# Altium PCB udemy_osman.PcbDoc (part 2 of 2)
Units mm, origin at the board's own origin, x right, y up, seen from the top; angles counter-clockwise.
Board outline 100 x 93 mm, 4 copper layers (Top Layer, Ground, Power, Bottom Layer), stack 1.369 mm thick; 121 components, 86 nets, 439 pads, 115 vias.
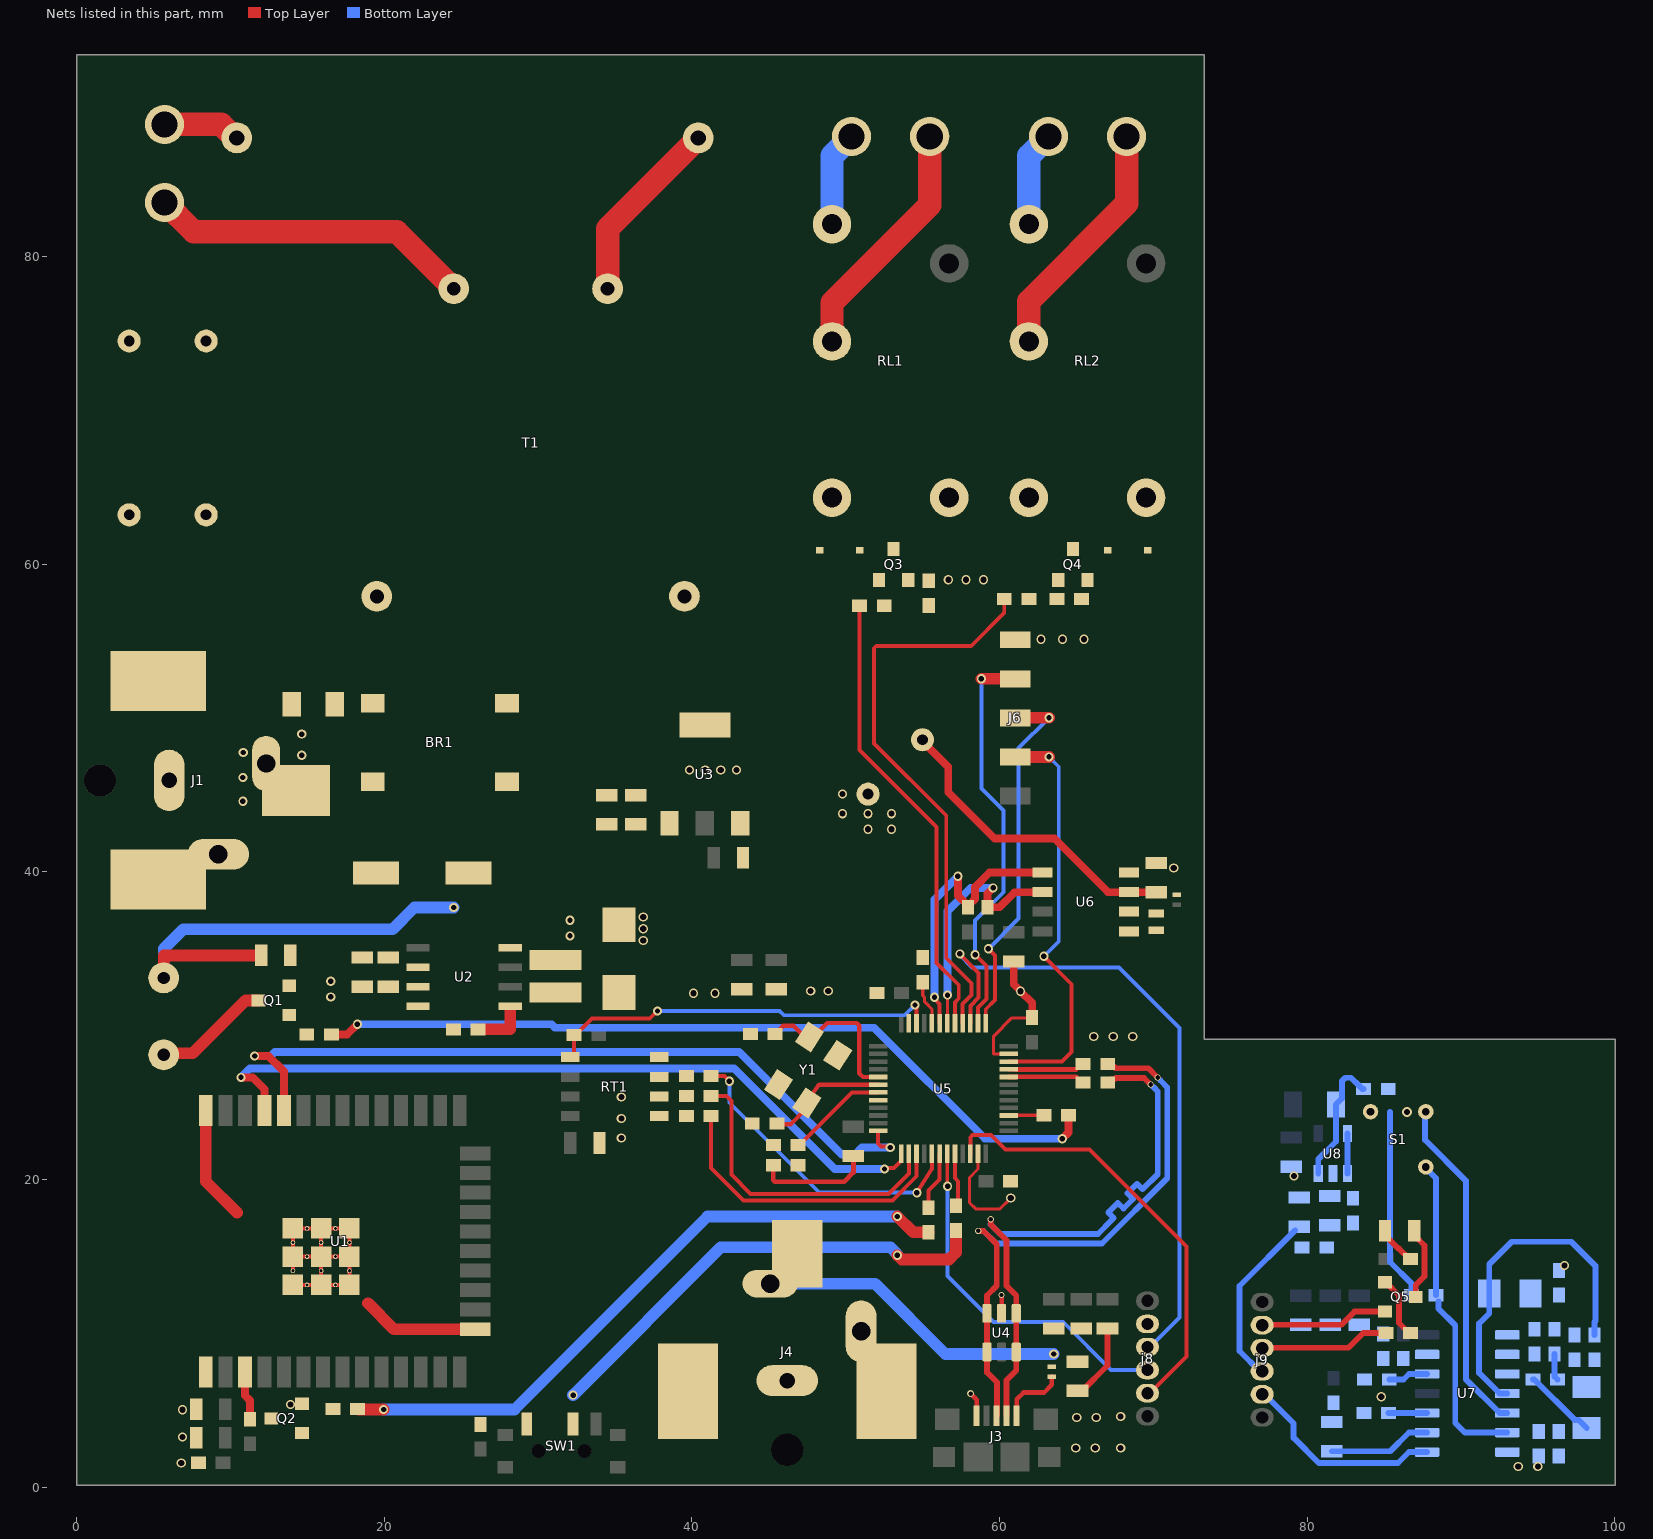
[diagram p4: the nets of this part, all layers, seen from the top]

## Via types
v1: diameter 0.6, hole 0.4, Top Layer to Bottom Layer, tented both sides, 56 vias
v2: diameter 0.6, hole 0.35, Top Layer to Bottom Layer, tented both sides, 49 vias
v3: diameter 0.4, hole 0.3, Top Layer to Bottom Layer, tented both sides, 4 vias
v4: diameter 0.45, hole 0.3, Top Layer to Bottom Layer, tented both sides, 3 vias
v5: diameter 0.635, hole 0.406, Top Layer to Bottom Layer, tented both sides, 1 vias
v6: diameter 0.61, hole 0.305, Top Layer to Bottom Layer, tented both sides, 1 vias
v7: diameter 0.4, hole 0.25, Top Layer to Bottom Layer, tented both sides, 1 vias

## Nets (pads, with @x,y where several pads share a name; then routed paths per layer and width w, separated by ;. In a path a pad name is that pad's centre, name@x,y a point inside that pad or via, vN(x,y) a via of type N, cw(c..) or ccw(c..) an arc to the next point about the centre after c; other vN are vias at no path point) (continued)
+5VDC: BZ1.1 C6.2 C8.1 C11.2 C12.2 C15.2 D2.1 J4.1 L1.2 U2.4 U3.1 | length 50
  Top Layer w0.762: BZ1.1@5.659,33.1 5.659,34.563 C6.2@11.999,34.563
  Bottom Layer w0.762: BZ1.1@5.659,33.1 5.659,34.995 6.929,36.265 20.545,36.265 21.962,37.682 v2(24.513,37.682) ; J4.1@45.097,13.228 51.911,13.228 56.484,8.655 v2(63.52,8.655)
  other v2: 32.075,35.833 32.075,36.849
+12VDC: C1.1 C2.1 C7.2 C9.2 D3.1 D4.1 F1.2 J1.1 RL1.5 RL2.4 U2.7
  other v2: 16.53,31.87 16.53,32.886 10.812,44.588 10.812,46.13 14.643,47.58 10.838,47.756 14.643,48.957
AC_LINE_1: J2.1 R1.1 | length 5.1
  Top Layer w1.524: J2.1@5.72,88.59 9.411,88.59 10.291,87.71 R1.1@10.42,87.71
AC_LINE_2: J2.2 T1.1 | length 21.1
  Top Layer w1.524: J2.2@5.72,83.51 7.62,81.61 20.82,81.61 T1.1@24.52,77.91
BUZZER: R3.1 R12.2 | length 52.6
  Top Layer w0.508: R3.1@16.568,29.432 17.597,29.432 v2(18.257,30.092) ; v2(64.079,22.65) 64.485,23.057 R12.2@64.485,24.174
  Bottom Layer w0.508: v2(18.257,30.092) 30.881,30.092 31.105,29.869 51.844,29.869 59.062,22.65 v2(64.079,22.65)
GND: BR1.4 C1.2 C2.2 C3.1 C4.1 C5.1 C6.1 C7.1 C8.2 C9.1 C11.1 C12.1 C13.1 C14.1 C15.1 C16.1 C17.1 C18.1 C19.1 C20.1 C21.1 C22.2 C23.1 C24.1 C25.1 C26.1 C27.1 C28.1 C29.1 C30.1 D1.1 J1.2 J1.3 J3.1 J4.2 J4.3 J6.5 j8.2 Q1.2 Q2.2 Q3.2 Q4.2 R7.1 R9.1 R16.2 R21.2 RT1.4 U1.1 U1.15 U1.38 U1.39 U2.6 U3.3 U4.2 U5.8 U5.23 U5.35 U5.47 U6.4 Y1.2 Y1.4 | length 67.5
  Top Layer w0.203: U5.23@58.605,21.662 58.605,20.681 58.046,20.122 58.046,18.497 58.453,18.091 60.027,18.091 v1(60.726,18.789) ; U5.35@60.605,28.162 59.624,28.162 59.621,28.164 59.621,29.319 60.806,30.504 62.102,30.504 C24.1@62.123,30.524
  Top Layer w0.254: U1.39@14.066,13.147 U1.39@14.984,13.147 U1.39@15.901,13.147 ; U1.39@14.066,14.065 U1.39@14.066,14.982 ; U1.39@15.774,16.818 U1.39@14.984,16.818 U1.39@14.066,16.818 U1.39@14.066,15.9 U1.39@14.066,14.982 ; U1.39@17.736,13.021 U1.39@17.736,13.147 ; U1.39@14.066,14.982 U1.39@14.984,14.982 U1.39@15.901,14.982 ; U1.39@15.901,13.147 U1.39@15.901,14.065 U1.39@15.901,14.982 ; U1.39@15.901,13.147 U1.39@16.819,13.147 U1.39@17.736,13.147 ; U1.39@15.901,14.982 U1.39@15.901,15.9 U1.39@15.901,16.818 U1.39@16.819,16.818 U1.39@17.736,16.818 U1.39@17.736,15.9 U1.39@17.736,14.982 ; U1.39@15.901,14.982 U1.39@16.819,14.982 U1.39@17.736,14.982 ; U1.39@17.736,13.147 U1.39@17.736,14.065 U1.39@17.736,14.982
  Top Layer w0.279: U4.2@60.137,11.294 v7(60.137,12.49)
  Top Layer w0.3: v4(58.124,6.077) 58.512,5.689 J3.1@58.512,4.633
  Top Layer w0.305: C14.1@43.924,23.641 C14.1@44.013,23.641 ; R7.1@45.295,20.923 45.295,19.942 45.381,19.856 49.901,19.856 50.502,20.458 C20.1@50.502,21.522
  Top Layer w0.381: C11.1@65.069,6.257 65.369,6.257 67.02,7.907 C29.1@67.02,10.306
  Top Layer w0.5: C25.1@60.929,34.172 60.929,32.698 61.361,32.266 v1(61.361,32.239) 62.123,31.477 C24.1@62.123,30.524
  Top Layer w0.762: U1.38@8.401,24.483 8.401,19.87 10.434,17.837 ; 18.948,11.951 20.632,10.268 U1.15@25.911,10.268
  other v1: 6.802,1.568 64.955,2.546 66.225,2.546 67.876,2.546 6.878,3.257 65.019,4.527 66.289,4.527 67.876,4.591 6.878,5.035 13.901,5.378 35.415,22.701 35.415,23.971 35.415,25.368 66.123,29.292 67.393,29.292 68.663,29.292 40.101,32.112 41.498,32.112 47.721,32.251 48.864,32.251 36.837,35.541 36.837,36.303 36.837,37.065 71.33,40.252 51.455,42.767 52.979,42.767 49.791,43.783 51.455,43.783 52.979,43.783 49.791,45.053 39.847,46.628 40.863,46.628 41.879,46.628 42.895,46.628 62.694,55.124 64.091,55.124 65.488,55.124 56.675,58.985 57.818,58.985 58.961,58.985
GND_S: C34.1 C36.1 C37.1 C38.1 C39.1 C40.1 C41.1 C42.1 C43.1 j9.2 Q5.2 R26.2 R29.1 R31.1 R32.1 R33.1 S1.3 U7.7 U8.2 | length 20.8
  Top Layer w0.381: j9.2@77.12,10.56 82.235,10.56 83.088,11.413 Q5.2@85.058,11.413
  Bottom Layer w0.381: 85.389,24.388 85.389,14.634 86.773,13.25 C36.1@86.773,12.475
  other v1: 93.728,1.337 94.998,1.337 84.812,5.871 96.738,14.405 79.148,20.235
  other v5: 86.489,24.388
LED_S: j9.3 R23.1 | length 8.4
  Top Layer w0.381: j9.3@77.12,9.06 82.691,9.06 83.645,10.014 R23.1@85.12,10.014
LIGHT_1_GND: J5.2 RL1.3 | length 6.2
  Bottom Layer w1.524: RL1.3@49.11,82.1 49.11,86.54 J5.2@50.38,87.81
LIGHT_1_VCC: J5.1 RL1.2 | length 16
  Top Layer w1.524: RL1.2@49.11,74.48 49.11,77 55.46,83.35 J5.1@55.46,87.81
LIGHT_2_GND: J7.2 RL2.3 | length 6.2
  Bottom Layer w1.524: RL2.3@61.91,82.1 61.91,86.54 J7.2@63.18,87.81
LIGHT_2_VCC: J7.1 RL2.2 | length 16
  Top Layer w1.524: RL2.2@61.91,74.48 61.91,77.1 68.26,83.45 J7.1@68.26,87.81
MCU_N: R13.1 U5.32 | length 5
  Top Layer w0.305: U5.32@60.605,26.662 61.05,26.662 61.059,26.67 63.786,26.67 ; 63.787,26.671 64.99,26.671 65.349,26.312 R13.1@65.438,26.312
MCU_P: R14.1 U5.33 | length 5
  Top Layer w0.305: U5.33@60.605,27.162 61.05,27.162 61.059,27.153 63.587,27.153 ; 63.587,27.153 64.99,27.153 65.349,27.512 R14.1@65.438,27.512
NetBR1_1: BR1.1 T1.9
NetBR1_2: BR1.2 T1.7
NetBR1_3: BR1.3 F1.1
NetBZ1_2: BZ1.2 Q1.3 | length 7.6
  Top Layer w0.762: BZ1.2@5.659,28.1 5.76,28.202 7.551,28.202 10.991,31.642 Q1.3@11.822,31.642
NetC10_1: C10.1 U2.1 | length 3.3
  Top Layer w0.762: C10.1@26.093,29.762 28.191,29.762 28.191,30.981
NetC10_2: C10.2 D1.2 L1.1 U2.8
NetC13_2: C13.2 U5.5 Y1.3 | length 10.6
  Top Layer w0.279: C13.2@45.41,29.457 45.499,29.457 45.753,29.711 45.753,29.8 45.943,29.991 46.607,29.991 47.321,29.277 Y1.3@47.643,29.277 ; Y1.3@47.909,29.277 48.801,30.169 50.722,30.169 50.886,30.005 50.886,26.899 51.124,26.662 U5.5@52.105,26.662
NetC14_2: C14.2 U5.6 Y1.1 | length 7.9
  Top Layer w0.279: C14.2@45.524,23.641 45.867,23.59 46.421,23.59 46.566,23.735 47.198,24.367 Y1.1@47.473,24.975 47.833,25.529 48.177,26.059 48.279,26.162 U5.6@52.105,26.162
NetC22_1: C22.1 C28.2 D5.1 U6.3 | length 20.3
  Top Layer w0.508: C22.1@54.991,48.589 54.991,48.483 56.662,46.811 56.662,45.18 59.685,42.157 63.582,42.157 67.062,38.678 U6.3@68.403,38.678 C28.2@70.2,38.678
NetC31_1: C31.1 C32.1 R25.1
NetC31_2: C31.2 R27.1 U7.3 | length 4.8
  Bottom Layer w0.381: R27.1@94.672,7.001 94.761,7.001 97.387,4.376 97.644,4.376 C31.2@98.173,3.846
NetC32_2: C32.2 C35.1 R25.2 U7.4 | length 22.4
  Bottom Layer w0.381: U7.4@93.01,6.087 92.515,6.087 91.18,7.422 91.18,10.634 91.837,11.291 C35.1@91.837,12.582 91.837,14.489 93.303,15.955 97.174,15.955 98.736,14.393 98.736,10.809 98.673,10.746 C32.2@98.673,9.882
NetC33_1: C33.1 R27.2 R28.1 U7.2 | length 1.7
  Bottom Layer w0.381: C33.1@96.073,8.663 96.073,7.201 R27.2@96.273,7.001
NetC33_2: C33.2 R28.2 U7.1
NetC34_2: C34.2 R29.2 S1.2 U7.5 | length 22.1
  Bottom Layer w0.381: S1.2@87.669,24.378 87.669,22.561 90.316,19.914 90.316,7.016 92.515,4.817 U7.5@93.01,4.817
NetC35_2: C35.2 R26.1
NetC36_2: C36.2 S1.1 U7.6 | length 20.6
  Bottom Layer w0.381: S1.1@87.669,20.786 88.373,20.082 C36.2@88.373,12.475 ; 88.53,12.071 88.53,11.615 89.626,10.519 89.626,4.174 90.253,3.547 U7.6@93.01,3.547
NetC38_2: C38.2 R30.1 U7.13
NetC40_2: C40.2 R34.2 R36.1
NetD2_2: D2.2 J3.5 | length 4.3
  Top Layer w0.305: J3.5@61.112,4.633 61.112,5.7 61.564,6.153 62.898,6.153 63.393,6.648 D2.2@63.393,7.187
NetD3_2: D3.2 Q3.3 RL1.4
NetD4_2: D4.2 Q4.3 RL2.5
NetD6_1: D6.1 Q5.3 | length 4.8
  Top Layer w0.381: D6.1@86.957,16.681 86.957,16.381 87.626,15.712 87.626,13.713 87.058,13.144 Q5.3@87.058,12.363
NetD6_2: D6.2 R24.1 | length 2.6
  Top Layer w0.381: D6.2@85.057,16.681 85.057,16.381 85.935,15.503 85.966,15.503 86.629,14.84 R24.1@86.718,14.84
NetD7_1: D7.1 U7.9 | length 6.7
  Bottom Layer w0.381: D7.1@81.613,2.332 85.404,2.332 86.619,3.547 U7.9@87.8,3.547
NetD7_2: D7.2 R35.1
NetJ6_2: J6.2 U5.34 | length 27.1
  Top Layer w0.254: U5.34@60.605,27.662 64.061,27.662 64.688,28.289 64.688,32.692 62.885,34.495 v2(62.885,34.512)
  Top Layer w0.762: J6.2@61.02,47.47 v2(63.216,47.47)
  Bottom Layer w0.254: v2(62.885,34.512) 63.853,35.48 63.853,46.833 v2(63.216,47.47)
NetJ6_3: J6.3 U5.37 | length 24.1
  Top Layer w0.254: U5.37@59.105,30.162 59.105,31.069 59.71,31.674 59.71,34.563 v2(59.278,34.995)
  Top Layer w0.762: J6.3@61.02,50.01 v2(63.216,50.01)
  Bottom Layer w0.254: v2(59.278,34.995) 61.247,36.964 61.247,48.041 v2(63.216,50.01)
NetJ6_4: J6.4 U5.38 | length 26.5
  Top Layer w0.254: v2(58.415,34.614) 59.151,33.877 59.151,31.726 58.605,31.18 U5.38@58.605,30.162
  Top Layer w0.762: v2(58.824,52.55) J6.4@61.02,52.55
  Bottom Layer w0.254: v2(58.415,34.614) 58.415,36.826 60.264,38.675 60.264,43.98 58.824,45.42 v2(58.824,52.55)
Netj8_3: j8.3 U5.39 | length 43.2
  Top Layer w0.254: v2(57.423,34.664) 57.423,34.642 58.643,33.422 58.643,31.829 58.105,31.29 U5.39@58.105,30.162
  Bottom Layer w0.254: v2(57.423,34.664) 57.423,34.575 58.224,33.774 67.763,33.774 71.699,29.838 71.699,11.038 69.771,9.11 j8.3@69.621,9.11
Netj8_4: j8.4 U5.19 | length 23.5
  Top Layer w0.254: U5.19@56.605,21.662 56.605,19.583 v2(56.624,19.564)
  Bottom Layer w0.254: v2(56.624,19.564) 56.624,13.716 59.615,10.725 64.142,10.725 67.257,7.61 j8.4@69.621,7.61
Netj8_5: j8.5 U5.22 | length 28.9
  Top Layer w0.254: U5.22@58.105,21.662 58.105,22.737 58.253,22.885 59.449,22.885 60.383,21.952 65.857,21.952 72.156,15.653 72.156,8.495 69.771,6.11 j8.5@69.621,6.11
NetQ1_1: Q1.1 R3.2
NetQ2_1: Q2.1 R4.2
NetQ3_1: Q3.1 R15.2 R16.1
NetQ4_1: Q4.1 R17.2 R21.1
NetQ5_1: Q5.1 R23.2 | length 4.1
  Top Layer w0.381: Q5.1@85.058,13.313 85.108,13.313 85.968,12.453 85.968,10.677 86.631,10.014 R23.2@86.72,10.014
NetR1_2: R1.2 T1.5 | length 12.2
  Top Layer w1.524: T1.5@34.52,77.91 34.52,81.81 R1.2@40.42,87.71
NetR5_1: R5.1 SW1.1
NetR6_2: R6.2 SW1.2 | length 30.9
  Top Layer w0.762: v2(53.36,15.081) 53.637,14.804 56.723,14.804 57.17,15.251 R6.2@57.17,16.694
  Bottom Layer w0.762: v2(32.278,5.983) 41.884,15.589 52.914,15.589 53.36,15.143 v2(53.36,15.081)
NetR8_1: R8.1 U5.18 | length 3.8
  Top Layer w0.254: R8.1@55.392,18.167 55.392,19.296 56.105,20.009 U5.18@56.105,21.662
NetR9_2: R9.2 U5.44 | length 2.9
  Top Layer w0.203: R9.2@55.011,32.823 55.011,31.959 55.117,31.853 55.117,31.573 55.243,31.447 55.605,31.086 U5.44@55.605,30.162
NetR12_1: R12.1 U5.27 | length 2.3
  Top Layer w0.254: U5.27@60.617,24.174 R12.1@62.885,24.174
NetR15_1: R15.1 U5.41 | length 29.9
  Top Layer w0.254: R15.1@50.909,57.296 50.909,47.911 55.9,42.919 55.9,34.08 57.348,32.632 57.348,31.755 57.105,31.512 U5.41@57.105,30.162
NetR17_1: R17.1 U5.40 | length 37.6
  Top Layer w0.254: U5.40@57.605,30.162 57.605,31.401 58.186,31.982 58.186,32.755 56.535,34.406 56.535,43.656 51.836,48.355 51.836,54.535 51.985,54.684 58.165,54.684 60.236,56.755 ccw(c60.056,56.934) 60.31,56.934 R17.1@60.31,57.735
NetR18_1: R18.1 RT1.3
NetR19_1: R19.1 RT1.2
NetR20_1: R20.1 RT1.1
NetR31_2: R31.2 U7.10 | length 2.5
  Bottom Layer w0.381: R31.2@85.287,4.83 86.151,4.83 86.163,4.817 U7.10@87.8,4.817
NetR32_2: R32.2 U7.12 | length 2.6
  Bottom Layer w0.381: R32.2@85.338,7.001 86.264,7.001 86.619,7.357 U7.12@87.8,7.357
NetR33_2: R33.2 RT2.2 U8.3 | length 8.4
  Bottom Layer w0.381: U8.3@80.723,20.382 80.723,21.313 81.873,22.463 RT2.2@81.873,24.882 82.258,25.267 82.258,26.387 82.481,26.61 82.856,26.61 83.381,26.085 83.584,25.882 R33.2@83.673,25.882
NetR34_1: R34.1 U8.1 U8.4 | length 2.6
  Bottom Layer w0.381: U8.1@82.623,20.382 U8.4@82.623,22.982
NetU6_1: U6.1 Y2.2
NetU6_2: U6.2 Y2.1
NRST: C16.2 R7.2 U5.7 | length 6.6
  Top Layer w0.254: C16.2@46.908,22.244 46.997,22.244 50.415,25.662 U5.7@52.105,25.662
PIRDETECT: j9.5 U7.8 | length 13.4
  Bottom Layer w0.381: j9.5@77.073,6.032 77.223,6.032 79.12,4.136 79.12,3.204 80.761,1.564 85.906,1.564 86.619,2.277 U7.8@87.8,2.277
RTC_SCL: R11.1 U5.42 U6.6 | length 16.3
  Top Layer w0.203: U5.42@56.605,30.162 56.61,30.167 56.61,31.98 v2(56.615,31.985)
  Top Layer w0.508: v2(59.583,38.957) 59.227,38.601 R11.1@59.227,37.7 60.002,37.7 60.98,38.678 U6.6@62.803,38.678
  Bottom Layer w0.508: v2(56.615,31.985) 56.615,37.447 58.126,38.957 v2(59.583,38.957)
RTC_SDA: R10.1 U5.43 U6.5 | length 18.6
  Top Layer w0.254: v2(55.773,31.845) 55.773,31.751 56.105,31.42 U5.43@56.105,30.162
  Top Layer w0.508: v2(57.297,39.719) 57.297,38.449 57.957,37.789 R10.1@57.957,37.7 ; R10.1@58.097,37.928 58.402,38.233 58.402,39.008 59.342,39.948 U6.5@62.803,39.948
  Bottom Layer w0.508: v2(55.773,31.845) 55.773,38.195 v2(57.297,39.719)
"SENSOR ONOFF": R6.1 U5.20 | length 3.5
  Top Layer w0.254: U5.20@57.105,21.662 57.105,20.087 57.305,19.886 57.305,18.429 R6.1@57.17,18.294
TEMP_ADC: C42.2 j9.4 R36.2 | length 11.4
  Bottom Layer w0.381: j9.4@77.073,7.532 76.923,7.532 75.6,8.856 75.6,13.075 C42.2@79.222,16.697
TEMP_IN_CS: R19.2 U5.14 | length 20.1
  Top Layer w0.254: R19.2@41.247,25.434 42.245,25.434 42.578,25.101 42.578,20.313 43.822,19.069 52.776,19.069 54.105,20.398 U5.14@54.105,21.662
TEMP_IN_OT: R22.1 RT1.5 U5.46 | length 25.9
  Top Layer w0.254: RT1.5@32.09,27.949 32.143,27.949 32.341,28.147 R22.1@32.341,29.381 ; R22.1@32.43,29.381 33.502,30.453 37.261,30.453 v2(37.764,30.956) ; v2(54.504,31.342) 54.504,31.248 54.605,31.148 U5.46@54.605,30.162
  Bottom Layer w0.254: v2(37.764,30.956) 45.707,30.956 45.986,30.677 53.835,30.677 54.5,31.342 v2(54.504,31.342)
TEMP_IN_SCLK: R20.2 U5.15 | length 19.7
  Top Layer w0.254: R20.2@41.247,24.134 41.247,20.743 43.352,18.637 53.033,18.637 54.605,20.208 U5.15@54.605,21.662
TEMP_IN_SIO: R18.2 U5.17 | length 20.2
  Top Layer w0.254: R18.2@41.247,26.734 42.11,26.734 v2(42.438,26.384) ; v2(54.63,19.145) 55.605,20.681 U5.17@55.605,21.662
  Bottom Layer w0.254: v2(42.438,26.384) 42.438,24.987 48.28,19.145 v2(54.63,19.145)
USB_N: J3.4 R13.2 U4.1 U4.6 | length 37.7
  Top Layer w0.373: v3(59.431,17.413) 59.431,17.072 60.451,16.052 60.451,13.088 61.087,12.452 U4.1@61.087,11.294 U4.6@61.087,8.784 61.087,7.578 60.462,6.952 J3.4@60.462,4.633 ; R13.2@67.038,26.312 67.245,26.519 67.473,26.519 67.553,26.598 69.402,26.598 v3(69.823,26.177)
  Bottom Layer w0.373: 59.402,17.1 59.407,17.105 59.407,17.095 60.043,16.46 66.397,16.46 67.298,17.361 67.43,17.493 67.066,17.857 67.689,18.48 68.053,18.116 68.677,18.739 68.312,19.104 68.935,19.727 69.3,19.362 70.281,20.344 70.281,25.729 70.02,25.99 70.011,25.99 v3(69.823,26.177)
USB_P: J3.3 R14.2 U4.3 U4.4 | length 38
  Top Layer w0.373: v3(58.618,16.657) 58.959,16.657 59.823,15.792 59.823,13.088 59.187,12.452 U4.3@59.187,11.294 U4.4@59.187,8.784 59.187,7.448 59.198,7.448 59.834,6.812 J3.3@59.834,4.656 ; R14.2@67.038,27.512 67.245,27.305 67.473,27.305 67.553,27.226 69.681,27.226 v3(70.276,26.63)
  Bottom Layer w0.373: v3(58.618,16.657) 58.959,16.657 59.783,15.832 66.657,15.832 70.908,20.084 70.908,25.989 70.464,26.433 70.464,26.443 v3(70.276,26.63)
WIFI_EN: R4.1 R8.2 | length 42.7
  Top Layer w0.762: R4.1@18.346,5.048 v2(19.959,5.048) ; v2(53.36,17.596) 54.389,16.567 R8.2@55.392,16.567
  Bottom Layer w0.762: v2(19.959,5.048) 28.468,5.048 41.016,17.596 v2(53.36,17.596)
WIFI_OUT: Q2.3 R2.2 U1.3 | length 3.2
  Top Layer w0.508: U1.3@10.941,7.482 10.941,5.963 11.27,5.635 R2.2@11.27,4.416
WIFI_RXD: U1.34 U5.12 | length 51
  Top Layer w0.254: U5.12@52.105,23.162 52.105,22.342 52.302,22.145 52.834,22.145 v2(52.901,22.079)
  Top Layer w0.508: v2(11.572,28.03) 12.471,28.03 13.481,27.02 U1.34@13.481,24.483
  Bottom Layer w0.508: v2(11.572,28.03) 12.629,28.03 12.888,28.289 43.073,28.289 49.758,21.604 50.583,21.604 51.058,22.079 v2(52.901,22.079)
WIFI_TXD: U1.35 U5.13 | length 49.8
  Top Layer w0.254: v2(52.522,20.682) 52.588,20.748 53.141,20.748 53.605,21.212 U5.13@53.605,21.662
  Top Layer w0.508: v2(10.688,26.638) 11.437,26.638 12.211,25.864 U1.35@12.211,24.483
  Bottom Layer w0.508: v2(10.688,26.638) 11.272,27.222 42.742,27.222 49.283,20.682 v2(52.522,20.682)
pads on no net: J1. J3.2 J3.6 J4. j8.6 j9.6 RL1.1 RL2.1 RT1.6 RT1.7 SW1. SW1.3 SW1.S1 SW1.S2 SW1.S3 SW1.S4 U1.4 U1.5 U1.6 U1.7 U1.8 U1.9 U1.10 U1.11 U1.12 U1.13 U1.14 U1.16 U1.17 U1.18 U1.19 U1.20 U1.21 U1.22 U1.23 U1.24 U1.25 U1.26 U1.27 U1.28 U1.29 U1.30 U1.31 U1.32 U1.33 U1.36 U1.37 U2.2 U2.3 U2.5 U5.1 U5.2 U5.3 U5.4 U5.10 U5.11 U5.16 U5.21 U5.25 U5.26 U5.28 U5.29 U5.30 U5.31 U5.45 U6.7 U7.11

## Polygon pours and split planes (outlines as drawn)
GND_S on Top Layer "GND_S_L01_P051" (solid, remove dead copper, pour order 51): 75.62,27.211 76.761,28.353 97.589,28.353 99.012,26.93 99.012,2.267 97.615,0.87 76.583,0.87 75.62,1.833
GND on Top Layer "Top Layer-GND" (solid, remove dead copper, pour order 50): 6.078,1.048 6.268,0.857 36.837,0.857 37.117,1.136 72.04,1.136 72.04,59.569 46.337,59.569 29.509,42.742 8.478,42.742 8.478,54.388 5.392,57.474 5.392,75.266 4.755,75.903 1.851,75.903 1.074,75.127 1.074,27.895 2.599,26.37 6.078,26.37
+3.3VDC on Top Layer "Top Layer-+3.3VDC" (solid, pour order 44): 39.789,33.801 51.734,33.801 53.131,32.404 53.131,29.653 53.251,29.534 53.766,29.534 53.766,31.477 54.099,31.809 54.099,33.001 52.004,35.096 43.37,35.096 41.839,36.628 41.839,44.128 41.64,44.327 40.363,44.327 40.162,44.126 40.162,42.142 38.973,40.953 38.973,34.616
+12VDC on Top Layer "Top Layer-+12VDC" (solid, pour order 31): 6.896,62.241 9.725,55.442 9.725,43.529 16.469,43.529 16.469,47.212 15.598,47.212 15.598,51.637 12.591,54.644 10.099,60.66 10.099,75.335 9.52,75.914 7.526,75.914 6.896,75.284
+12VDC on Top Layer "+12VDC_L01_P037" (solid, pour order 37): 15.895,33.115 15.895,31.693 16.225,31.362 17.521,31.362 17.8,31.642 17.8,32.099 23.007,32.099 23.007,32.988 17.8,32.988 17.8,33.166 17.394,33.572 16.352,33.572
NetBR1_3 on Top Layer "NETBR1_3_L01_P007" (solid, pour order 7): 16.174,51.962 16.174,49.854 20.086,49.854 20.086,51.962
NetBR1_1 on Top Layer "NETBR1_1_L01_P006" (solid, pour order 6): 38.387,59.683 40.8,59.683 41.422,59.061 41.422,55.594 30.157,44.329 26.842,44.329 26.423,44.748 26.423,46.983 26.817,47.377 30.157,47.377 37.777,54.997 37.777,59.074
NetBR1_2 on Top Layer "NETBR1_2_L01_P000" (solid, pour order 0): 18.257,59.645 20.526,59.645 27.071,52.419 29.23,52.419 29.23,49.752 26.817,49.752 20.56,56.254 18.181,56.254 17.749,56.686 17.749,59.137
GND on Bottom Layer "GND_L04_P046" (solid, remove dead copper, pour order 46): 1.074,75.127 1.074,27.895 2.709,26.26 25.95,26.26 27.693,24.517 27.693,7.067 28.227,6.534 35.275,6.534 36.317,5.493 36.317,1.581 36.939,0.959 37.117,1.136 72.04,1.136 72.04,58.326 70.708,59.658 43.162,59.658 43.162,55.899 30.005,42.742 8.478,42.742 8.478,54.388 5.392,57.474 5.392,75.266 4.755,75.903 1.851,75.903
GND_S on Bottom Layer "GND_S_L04_P052" (solid, remove dead copper, pour order 52): 75.473,27.083 76.715,28.325 97.543,28.325 98.965,26.902 98.965,2.239 97.568,0.842 76.537,0.842 75.473,1.905
+5VDC on Power (split plane): 33.165,37.418 33.165,21.126 33.174,21.053 33.194,21.005 33.202,20.985 33.247,20.927 37.718,16.457 37.776,16.412 37.796,16.404 37.844,16.384 37.917,16.374 46.233,16.374 46.982,15.625 46.982,12.556 45.75,11.324 40.777,11.324 31.303,20.798 31.303,37.608 31.404,37.71 32.872,37.71
+3.3VDC_S on Power (split plane): 99.51,0.62 73.852,0.62 73.852,28.6 99.51,28.6
+12VDC on Power (split plane): 72.077,65.104 72.077,62.988 70.871,61.781 53.042,61.781 52.97,61.772 52.902,61.744 52.843,61.699 31.501,40.356 19.692,40.356 19.619,40.347 19.551,40.319 19.493,40.274 17.982,38.763 17.937,38.704 17.929,38.684 17.909,38.636 17.899,38.563 17.899,33.369 17.899,31.2 17.556,30.857 15.428,30.857 14.678,31.606 14.678,40.71 14.669,40.783 14.649,40.831 14.64,40.851 14.596,40.909 12.31,43.195 12.251,43.24 12.231,43.248 12.183,43.268 12.11,43.277 10.525,43.277 9.42,44.382 9.42,47.654 11.783,50.016 14.762,50.016 20.788,43.99 20.847,43.945 20.915,43.917 20.988,43.908 30.881,43.908 30.954,43.917 31.002,43.937 31.022,43.945 31.08,43.99 46.587,59.497 46.632,59.555 46.66,59.623 46.67,59.696 46.67,64.863 47.686,65.879 71.303,65.879
+3.3VDC on Power (split plane): 72.81,29.11 72.819,29.01 72.847,28.918 72.847,0.62 0.53,0.62 0.53,66.414 47.452,66.414 47.428,66.404 47.37,66.36 46.188,65.179 46.144,65.12 46.135,65.1 46.115,65.052 46.106,64.979 46.106,59.813 30.764,44.471 21.104,44.471 15.078,50.497 15.02,50.542 15,50.55 14.952,50.57 14.879,50.58 11.666,50.58 11.593,50.57 11.553,50.554 11.525,50.542 11.5,50.523 11.467,50.497 8.939,47.97 8.895,47.912 8.886,47.892 8.866,47.844 8.857,47.771 8.857,44.266 8.866,44.193 8.886,44.145 8.895,44.125 8.939,44.066 10.209,42.796 10.268,42.752 10.336,42.723 10.409,42.714 11.994,42.714 14.115,40.593 14.115,31.489 14.124,31.416 14.144,31.368 14.152,31.348 14.197,31.29 15.112,30.376 15.17,30.331 15.238,30.303 15.311,30.293 17.673,30.293 17.746,30.303 17.794,30.323 17.814,30.331 17.872,30.376 18.38,30.884 18.425,30.942 18.453,31.01 18.463,31.083 18.463,33.369 18.463,38.447 19.809,39.793 31.618,39.793 31.691,39.802 31.739,39.822 31.759,39.831 31.817,39.875 53.159,61.218 70.988,61.218 71.061,61.227 71.109,61.247 71.129,61.255 71.187,61.3 72.558,62.672 72.603,62.73 72.631,62.798 72.641,62.871 72.641,65.221 72.631,65.294 72.603,65.362 72.558,65.42 71.619,66.36 71.56,66.404 71.54,66.413 71.536,66.414 72.81,66.414
GND_S on Ground (split plane): 99.51,0.62 73.751,0.62 73.751,28.6 99.51,28.6
GND on Ground (split plane): 72.81,29.304 72.784,29.256 72.755,29.162 72.746,29.064 72.746,0.62 0.53,0.62 0.53,66.414 72.81,66.414

## Keep-outs
Keep-Out Layer:
  lines w0.1: 0.02,0.11 96.42,0.11 100.02,0.11 100.02,29.11 73.32,29.11 73.32,93.11 0.02,93.11 0.02,0.11

## Other copper
Top Layer:
  rectangle net GND: 13.495,4.997 15.12,5.899
  region net GND_S: 76.279,10.841 76.596,11.158 77.739,11.158 78.146,10.752 78.146,10.371 77.691,9.916 76.657,9.916 76.279,10.294
  region net +3.3VDC_S: 76.317,11.703 76.317,12.474 76.928,13.086 77.309,13.086 77.892,12.503 77.892,11.725 77.603,11.436 76.583,11.436
  region net LED_S: 76.279,9.341 76.596,9.658 77.739,9.658 78.146,9.252 78.146,8.871 77.691,8.416 76.657,8.416 76.279,8.794
  region: 76.349,4.117 76.349,4.895 76.637,5.184 77.657,5.184 77.923,4.917 77.923,4.146 77.312,3.535 76.931,3.535
  pour cut-out: 61.437,28.16 70.05,28.16 71.064,27.146 71.064,25.876 70.314,25.127 61.437,25.127
  pour cut-out: 58.07,17.036 58.986,17.951 66.111,17.951 70.05,21.891 70.05,28.16 71.434,26.775 71.434,20.189 66.543,15.297 58.801,15.297 58.029,16.253
  region net GND: 21.051,33.318 23.045,33.318 23.261,33.534 23.261,33.966 23.007,34.22 21.534,34.22 20.962,34.791 20.962,46.336 20.264,47.034 18.308,47.034 17.609,46.336 17.609,42.932 16.974,42.297 2.471,42.297 1.176,41.002 1.176,38.297 2.001,37.471 12.123,37.471 13.241,36.354 13.241,32.074 13.444,31.87 14.054,31.87 14.295,32.112 14.295,33.052 15.247,34.004 16.187,34.004 17.584,34.004 18.27,33.318
  region net GND: 33.078,45.764 38.158,50.844 41.307,50.844 43.149,50.844 44.203,49.79 44.203,47.947 45.447,46.703 51.303,46.703 55.532,42.475 55.532,33.966 55.405,33.839 54.198,33.839 53.766,34.271 53.766,37.865 51.747,39.884 46.426,39.884 42.946,39.884 42.413,40.418 42.413,44.431 41.854,44.99 37.701,44.99 36.964,44.253 33.51,44.253 33.078,44.685 33.078,44.977
  region net GND: 44.318,28.657 45.676,28.657 46.756,27.578 46.756,26.219 44.622,24.085 44.622,23.107 44.876,22.853 45.537,22.853 45.88,22.511 45.88,20.364 45.664,20.148 44.749,20.148 44.305,20.593 44.305,21.952 43.162,23.095 43.162,27.502
  region net GND: 52.331,31.439 52.661,31.769 52.661,32.429 52.268,32.823 40.063,32.823 37.802,35.083 37.802,37.484 37.269,38.017 34.285,38.017 33.904,37.636 33.904,35.439 34.399,34.944 35.631,34.944 39.136,31.439 39.733,30.842 39.733,29.775 38.717,28.759 35.275,28.759 34.742,28.226 34.742,24.238 33.357,22.853 33.357,21.698 33.675,21.38 35.669,21.38 36.075,21.787 36.075,26.917 36.659,27.502 43.162,27.502 44.318,28.657 44.318,30.867 44.889,31.439
  region net +3.3VDC: 59.9,29.203 60.167,29.47 63.241,29.47 63.482,29.229 63.482,28.581 63.317,28.416 61.361,28.416 61.272,28.505 59.9,28.505
  region net +3.3VDC: 58.503,20.148 58.719,20.364 58.798,20.364 59.1,20.667 59.416,20.352 59.545,20.352 59.723,20.174 59.723,18.662 58.503,18.662
  region net GND: 37.066,3.392 37.066,8.866 37.637,9.438 43.086,9.438 44.508,8.015 48.026,8.015 48.293,7.748 48.293,5.716 47.924,5.348 45.588,5.348 43.086,2.846 37.612,2.846
  region net GND: 59.989,20.263 60.167,20.44 61.513,20.44 61.513,18.65 61.31,18.446 60.142,18.446 59.989,18.599
  region net GND: 62.58,10.611 62.783,10.814 68.587,10.814 69.019,11.246 70.314,11.246 70.53,11.03 70.53,10.103 70.34,9.912 62.783,9.912 62.58,10.115
  region net GND: 67.343,40.824 67.66,41.141 71.432,41.141 71.75,40.824 71.75,39.706 71.432,39.389 67.66,39.389 67.343,39.706
  region net TEMP_IN_OT: 31.135,29.521 31.529,29.915 32.969,29.915 32.989,29.894 32.989,27.654 32.748,27.413 31.402,27.413 31.135,27.679
  region net GND: 53.296,59.328 53.639,59.671 57.03,59.671 57.233,59.468 57.233,58.401 57.094,58.261 53.512,58.261 53.296,58.477
  region net GND: 65.12,59.696 66.543,59.696 66.733,59.506 66.733,54.972 65.996,54.235 59.926,54.235 59.659,54.502 59.659,55.721 60.129,56.191 64.828,56.191 64.828,59.404
  region net +3.3VDC: 59.964,10.28 60.421,10.28 60.51,10.192 60.51,8.172 60.459,8.121 59.926,8.121 59.85,8.198 59.85,10.166
  region net +3.3VDC: 48.953,23.603 49.258,23.908 51.15,23.908 51.264,23.793 51.264,22.993 51.214,22.942 49.245,22.942 48.953,23.234
  region net NRST: 46.143,20.669 46.389,20.423 47.249,20.423 47.467,20.641 47.467,22.17 47.871,22.574 47.871,23.031 47.693,23.209 47.363,23.209 46.897,22.743 46.364,22.743 46.143,22.523
  region net NetR15_1: 50.795,56.534 51.023,56.534 51.391,56.902 51.391,57.55 50.464,57.55 50.426,57.512 50.426,56.902
  region net +3.3VDC: 59.354,45.332 59.799,45.777 65.425,45.777 65.742,45.459 65.742,44.113 65.549,43.92 59.775,43.92 59.347,44.35
  region net +3.3VDC: 57.348,35.731 57.486,35.593 63.483,35.593 64.437,34.639 71.75,34.639 72.004,34.893 72.004,37.992 71.216,37.992 71.216,35.287 64.777,35.287 63.603,36.461 63.469,36.595 57.5,36.595 57.348,36.442
  region net NetR18_1: 37.079,26.943 37.282,27.146 40.228,27.146 40.304,27.07 40.304,26.333 40.203,26.232 37.282,26.232 37.079,26.435
  region net NetR19_1: 37.079,25.673 37.282,25.876 40.228,25.876 40.304,25.8 40.304,25.063 40.203,24.962 37.282,24.962 37.079,25.165
  region net NetR20_1: 37.079,24.403 37.282,24.606 40.228,24.606 40.304,24.53 40.304,23.793 40.203,23.692 37.282,23.692 37.079,23.895
  region net +3.3VDC: 28.938,24.581 32.634,24.581 32.837,24.377 32.837,21.761 32.38,21.304 28.887,21.304 28.544,21.647 28.544,24.187
  region net +3.3VDC: 62.402,14.128 63.012,14.738 70.149,14.738 70.594,14.294 70.594,11.716 70.391,11.512 62.644,11.512 62.402,11.754
  region net NetQ4_1: 61.158,58.21 61.336,58.388 63.127,58.388 63.241,58.464 63.241,59.328 63.469,59.556 64.18,59.556 64.434,59.302 64.434,57.448 64.18,57.194 61.31,57.194 61.158,57.347
  region net +5VDC: 62.885,8.756 63.139,9.01 65.781,9.01 65.958,8.833 65.958,7.867 65.781,7.69 63.012,7.69 62.885,7.817
  region net NetR6_2: 31.694,6.445 31.872,6.623 32.659,6.623 32.888,6.394 32.888,3.372 32.761,3.245 31.872,3.245 31.694,3.422
  region net NetR5_1: 25.649,4.438 25.852,4.642 28.519,4.642 28.874,4.997 29.636,4.997 29.763,4.87 29.763,3.321 29.662,3.219 28.925,3.219 28.671,3.473 28.671,4.057 26.792,4.057 26.792,3.6 26.588,3.397 25.852,3.397 25.649,3.6
  region net NetC22_1: 71.902,38.83 71.902,38.271 67.603,38.271 67.603,39.084 71.648,39.084
  region net NetU6_1: 67.584,36.417 67.736,36.569 69.438,36.569 69.489,36.519 70.759,36.519 70.861,36.417 70.861,35.858 70.708,35.706 67.813,35.706 67.584,35.934
  region net NetU6_2: 67.482,37.636 67.635,37.789 69.235,37.789 69.396,37.627 70.779,37.627 70.835,37.571 70.835,37.001 70.784,36.95 67.66,36.95 67.482,37.128
  region net NetQ3_1: 51.506,59.607 52.877,59.607 52.877,58.337 53.284,57.931 56.002,57.931 56.205,57.728 56.205,56.762 56.052,56.61 52.141,56.61 51.836,56.915 51.836,57.804 51.176,58.464 51.176,59.277
  region net NetD3_2: 58.364,65.457 57.939,65.881 55.272,65.881 50.515,61.124 50.515,60.572 51.049,60.039 54.757,60.039 58.364,63.646
  region net +12VDC: 71.696,64.629 70.182,66.143 67.64,66.143 66.85,65.353 66.85,63.911 69.179,61.582 69.179,60.303 69.545,59.937 71.422,59.937 71.705,60.221
  region net NetD4_2: 59.888,65.068 60.701,65.881 63.368,65.881 67.584,61.665 67.584,60.166 63.139,60.166 59.888,63.417
  region net +12VDC: 46.944,64.629 48.458,66.143 51,66.143 51.79,65.353 51.79,64.565 48.796,61.571 48.796,60.097 48.47,59.772 47.383,59.772 46.935,60.221
  region net NetQ1_1: 15.633,29.918 14.234,31.317 13.291,31.317 13.142,31.167 13.142,30.153 14.498,28.797 15.412,28.797 15.633,29.018
  region net NetQ2_1: 13.998,3.976 14.137,4.116 15.958,4.116 15.958,5.653 16.124,5.818 17.109,5.818 17.256,5.67 17.256,3.748 16.543,3.034 14.132,3.034 13.998,3.168
  region net WIFI_OUT: 10.691,4.802 10.945,5.056 13.065,5.056 13.065,5.053 13.345,4.774 13.345,4.083 13.098,3.836 10.835,3.836 10.835,3.844 10.696,3.984
  region net +3.3VDC: 12.568,0.933 13.584,1.949 13.584,2.406 12.69,3.3 10.172,3.3 10.172,8.492 9.997,8.668 9.349,8.668 9.174,8.492 9.174,2.165 8.986,1.977 8.986,1.111 9.164,0.933
  region net NetC10_2: 34.208,31.025 36.329,31.025 36.702,31.397 36.702,32.989 36.289,33.402 34.302,33.402 34.145,33.245 34.145,32.886 29.535,32.886 29.382,32.734 29.382,29.472 28.885,28.975 25.242,28.975 25.029,29.188 25.029,30.207 22.956,30.207 22.956,31.489 22.778,31.667 21.585,31.667 21.381,31.464 21.381,28.619 21.872,28.129 29.527,28.129 30.551,29.153 30.551,31.007 31.054,31.51 34.079,31.51 34.079,31.154
  region net +5VDC: 24.343,36.823 25.692,36.823 26.157,36.359 26.157,34.944 26.792,34.309 29.205,34.309 29.205,33.648 29.484,33.369 32.761,33.369 33.192,33.801 33.192,37.82 28.512,37.82 27.401,38.932 27.401,40.659 28.519,41.776 38.653,41.776 39.441,42.564 39.441,43.478 39.441,44.037 39.22,44.258 38.148,44.258 37.891,44.001 37.891,42.945 37.249,42.945 37.249,43.486 37.122,43.613 33.787,43.613 33.634,43.46 33.634,43.275 25.034,43.275 23.896,42.137 23.896,41.345 23.871,41.345 23.871,37.296
Bottom Layer:
  pour cut-out: 62.07,28.16 70.05,28.16 71.064,27.146 71.064,25.876 70.314,25.127 62.288,25.127 61.437,25.978 61.437,27.527
  pour cut-out: 58.07,17.036 58.986,17.951 66.111,17.951 70.05,21.891 70.05,28.16 71.434,26.775 71.434,20.189 66.543,15.297 58.801,15.297 58.029,16.253
  region net NetR34_1: 82.417,21.136 82.467,21.186 83.077,21.186 83.28,20.983 83.28,19.519 83.484,19.315 83.484,18.342 83.419,18.278 82.494,18.278 82.417,18.355
  region net GND_S: 95.028,14.799 95.473,15.244 97.009,15.244 97.2,15.053 97.2,13.618 97.035,13.453 95.828,13.453 95.028,14.253
  region net +3.3VDC_S: 76.547,11.408 84.126,11.408 85.109,11.408 85.706,10.811 85.706,10.354 85.706,9.579 85.897,9.389 86.925,9.389 87.002,9.465 88.64,9.465 88.767,9.592 88.767,10.1 88.576,10.291 87.573,10.291 83.992,13.872 77.146,13.872 76.27,12.996 76.27,11.685
  region net +3.3VDC_S: 80.321,7.776 82.353,7.776 82.506,7.624 82.506,6.544 82.353,6.392 80.334,6.392 79.998,6.728 79.998,7.452
  region net NetC35_2: 93.529,13.364 93.771,13.605 95.219,13.605 95.371,13.453 95.371,13.161 95.46,13.072 96.73,13.072 96.933,12.869 96.933,11.777 96.654,11.497 93.758,11.497 93.529,11.726
  region net GND_S: 76.447,9.908 81.212,9.908 83.052,8.068 83.052,4.36 83.268,4.144 84.055,4.144 84.322,4.411 84.322,7.37 83.979,7.713 83.979,9.376 85.351,9.376 85.427,9.452 85.427,10.392 85.3,10.519 84.766,10.519 84.347,10.938 84.119,11.167 76.423,11.167 76.27,11.015 76.27,10.085
  region net GND_S: 83.598,24.908 84.5,24.908 84.703,25.112 84.703,26.369 84.817,26.483 85.909,26.483 86.011,26.382 86.011,23.93 85.77,23.689 83.535,23.689 83.344,23.88 83.344,24.654
  region net NetC34_2: 92.323,5.249 93.771,5.249 93.987,5.033 93.987,4.804 94.596,4.195 96.717,4.195 96.857,4.055 96.857,3.153 96.755,3.052 94.672,3.052 94.444,3.28 94.444,3.801 93.86,4.385 92.221,4.385 92.069,4.538 92.069,4.995
  region net GND_S: 91.675,2.34 92.069,2.734 93.987,2.734 94.126,2.594 96.743,2.594 96.933,2.404 96.933,1.464 96.349,0.88 92.005,0.88 91.675,1.21
  region net NetD7_2: 80.487,5.769 80.779,6.062 82.341,6.062 82.633,5.769 82.633,3.725 82.404,3.496 80.753,3.496 80.499,3.75 80.499,5.719
  region net NetC31_2: 92.132,7.649 92.209,7.725 93.936,7.725 94.164,7.497 95.155,7.497 95.32,7.332 95.32,6.709 95.066,6.455 94.228,6.455 94.076,6.608 94.076,6.887 93.949,7.014 92.259,7.014 92.132,7.141
  region net NetC38_2: 84.36,8.767 84.538,8.944 86.824,8.944 86.951,9.071 88.551,9.071 88.729,8.894 88.729,8.297 88.602,8.17 87.027,8.17 86.621,7.763 84.551,7.763 84.36,7.954 84.36,8.716
  region net NetC32_2: 96.946,10.672 97.39,11.116 98.952,11.116 99.105,10.964 99.105,9.414 99.003,9.313 96.984,9.313 96.946,9.351
  region net NetC33_1: 91.866,8.817 92.031,8.983 94.177,8.983 94.342,9.148 96.476,9.148 96.603,9.021 96.603,8.132 96.527,8.055 94.203,8.055 94.088,8.17 92.031,8.17 91.866,8.335
  region net NetC33_2: 91.955,10.646 92.259,10.951 96.514,10.951 96.616,10.849 96.616,9.656 96.425,9.465 92.145,9.465 91.955,9.656 91.955,10.1
  region net NetC31_1: 97.073,8.894 98.952,8.894 99.13,8.716 99.13,5.795 98.978,5.642 97.047,5.642 96.946,5.744 96.946,8.767
  region net NetC40_2: 80.982,17.796 83.471,17.796 83.598,17.669 83.598,16.717 83.166,16.285 82.15,16.285 81.922,16.056 81.922,14.932 81.776,14.786 80.774,14.786 80.69,14.871 80.69,17.504
  region net TEMP_ADC: 78.429,17.263 78.67,17.504 80.093,17.504 80.283,17.314 80.283,15.282 79.915,14.913 78.721,14.913 78.429,15.206 78.429,17.238
  region net GND_S: 77.642,21.175 77.908,21.441 79.585,21.441 79.877,21.149 79.877,19.46 79.94,19.397 81.236,19.397 81.236,20.882 81.515,21.162 81.909,21.162 82.138,20.933 82.138,18.33 82.087,18.279 77.934,18.279 77.642,18.571
  region net +3.3VDC_S: 77.972,25.556 78.429,26.013 79.585,26.013 79.991,25.607 79.991,23.943 80.245,23.689 81.007,23.689 81.223,23.473 81.223,22.47 80.918,22.165 78.162,22.165 77.972,22.356
Ground (plane layer: these items are gaps in the copper):
  rectangle: 75.039,10.026 76.995,11.246
  rectangle: 68.752,10.001 70.619,11.169
  rectangle: 0.541,6.458 7.665,25.711
  rectangle: 0.172,66.414 73.261,92.615
  lines w1: 73.248,0.514 73.248,29.064
Power (plane layer: these items are gaps in the copper):
  rectangle: 0.541,6.458 7.665,25.711
  rectangle: 0.376,66.414 72.867,93.135
  lines w0.559: 9.139,44.266 10.409,42.996 12.11,42.996 14.396,40.71 14.396,31.489 15.311,30.575 17.673,30.575 18.181,31.083 18.181,33.369 18.181,38.563 19.692,40.075 31.618,40.075 53.042,61.5 70.988,61.5 72.359,62.871 72.359,65.221 71.419,66.16 47.569,66.16 46.388,64.979 46.388,59.696 30.881,44.189 20.988,44.189 14.879,50.298 11.666,50.298 9.139,47.771 9.139,44.266 ; 31.021,20.682 31.021,37.725 31.287,37.992 32.989,37.992 33.446,37.535 33.446,21.126 37.917,16.656 46.35,16.656 47.264,15.741 47.264,12.439 45.867,11.042 40.66,11.042 31.021,20.682
  lines w1: 73.35,0.222 73.35,29.178

## Silkscreen, mask and mechanical layers (free items; w line width, h text height)
Top Overlay:
  drawing of 1652 lines, arcs and shapes, not listed
Bottom Overlay:
  drawing of 2 lines, arcs and shapes, not listed
  text "T_P_GND" at 95.82,27.693 h0.5
Top Solder:
  region: 76.345,4.121 76.345,4.899 76.634,5.188 77.653,5.188 77.92,4.921 77.92,4.15 77.308,3.538 76.927,3.538
  region: 77.892,12.508 77.892,11.729 77.604,11.441 76.584,11.441 76.317,11.707 76.317,12.478 76.929,13.09 77.31,13.09
Bottom Solder:
  region: 95.02,25.11 94.02,26.11 93.02,25.11 94.02,24.11
Route Tool Path:
  lines w1: -0.01,7.33 4.65,7.33 4.65,24.43 0.66,24.43 ; 0,0.23 -0.01,0.23 ccw(c0.01,0.23) 0.01,0.21 ; 1.3,24.43 0.66,24.43 ; 1.35,24.43 1.35,7.46 0.66,7.46 0.66,24.43 ; 2.25,7.65 2.25,24.43 ; 3.15,7.38 3.15,24.46 ; 4.05,7.43 4.05,24.47 ; 73.22,0.01 73.22,5.21 ; 73.22,7.21 73.22,11.21 ; 73.22,13.21 73.22,17.21 ; 73.22,19.21 73.22,23.21 ; 73.22,25.21 73.22,30.21 ; 73.82,0 0,0 0,93.09 73.28,93.09 73.28,29.12 100.03,29.12 100.03,0.01 73.82,0.01

## Text inside footprints (layer, text, board x,y; h text height)
BR1: Top Overlay "~" at 27.466,45.464 h1.2 r90; Top Overlay "~" at 27.566,50.564 h1.2 r90
j8: Top Overlay "1" at 71.921,14.16 h0.5 r90
j9: Bottom Overlay "1" at 75.373,14.082 h0.5 r270
S1: Top Overlay "G" at 82.474,23.964 h1; Top Overlay "S" at 88.674,23.964 h1; Top Overlay "D" at 85.974,20.164 h1
T1: Top Overlay "INPUT" at 17.77,84.06 h1 r180; Top Overlay "OUTPUT" at 40.27,51.76 h1